# KiCad board yddraig030.kicad_pcb (continued)
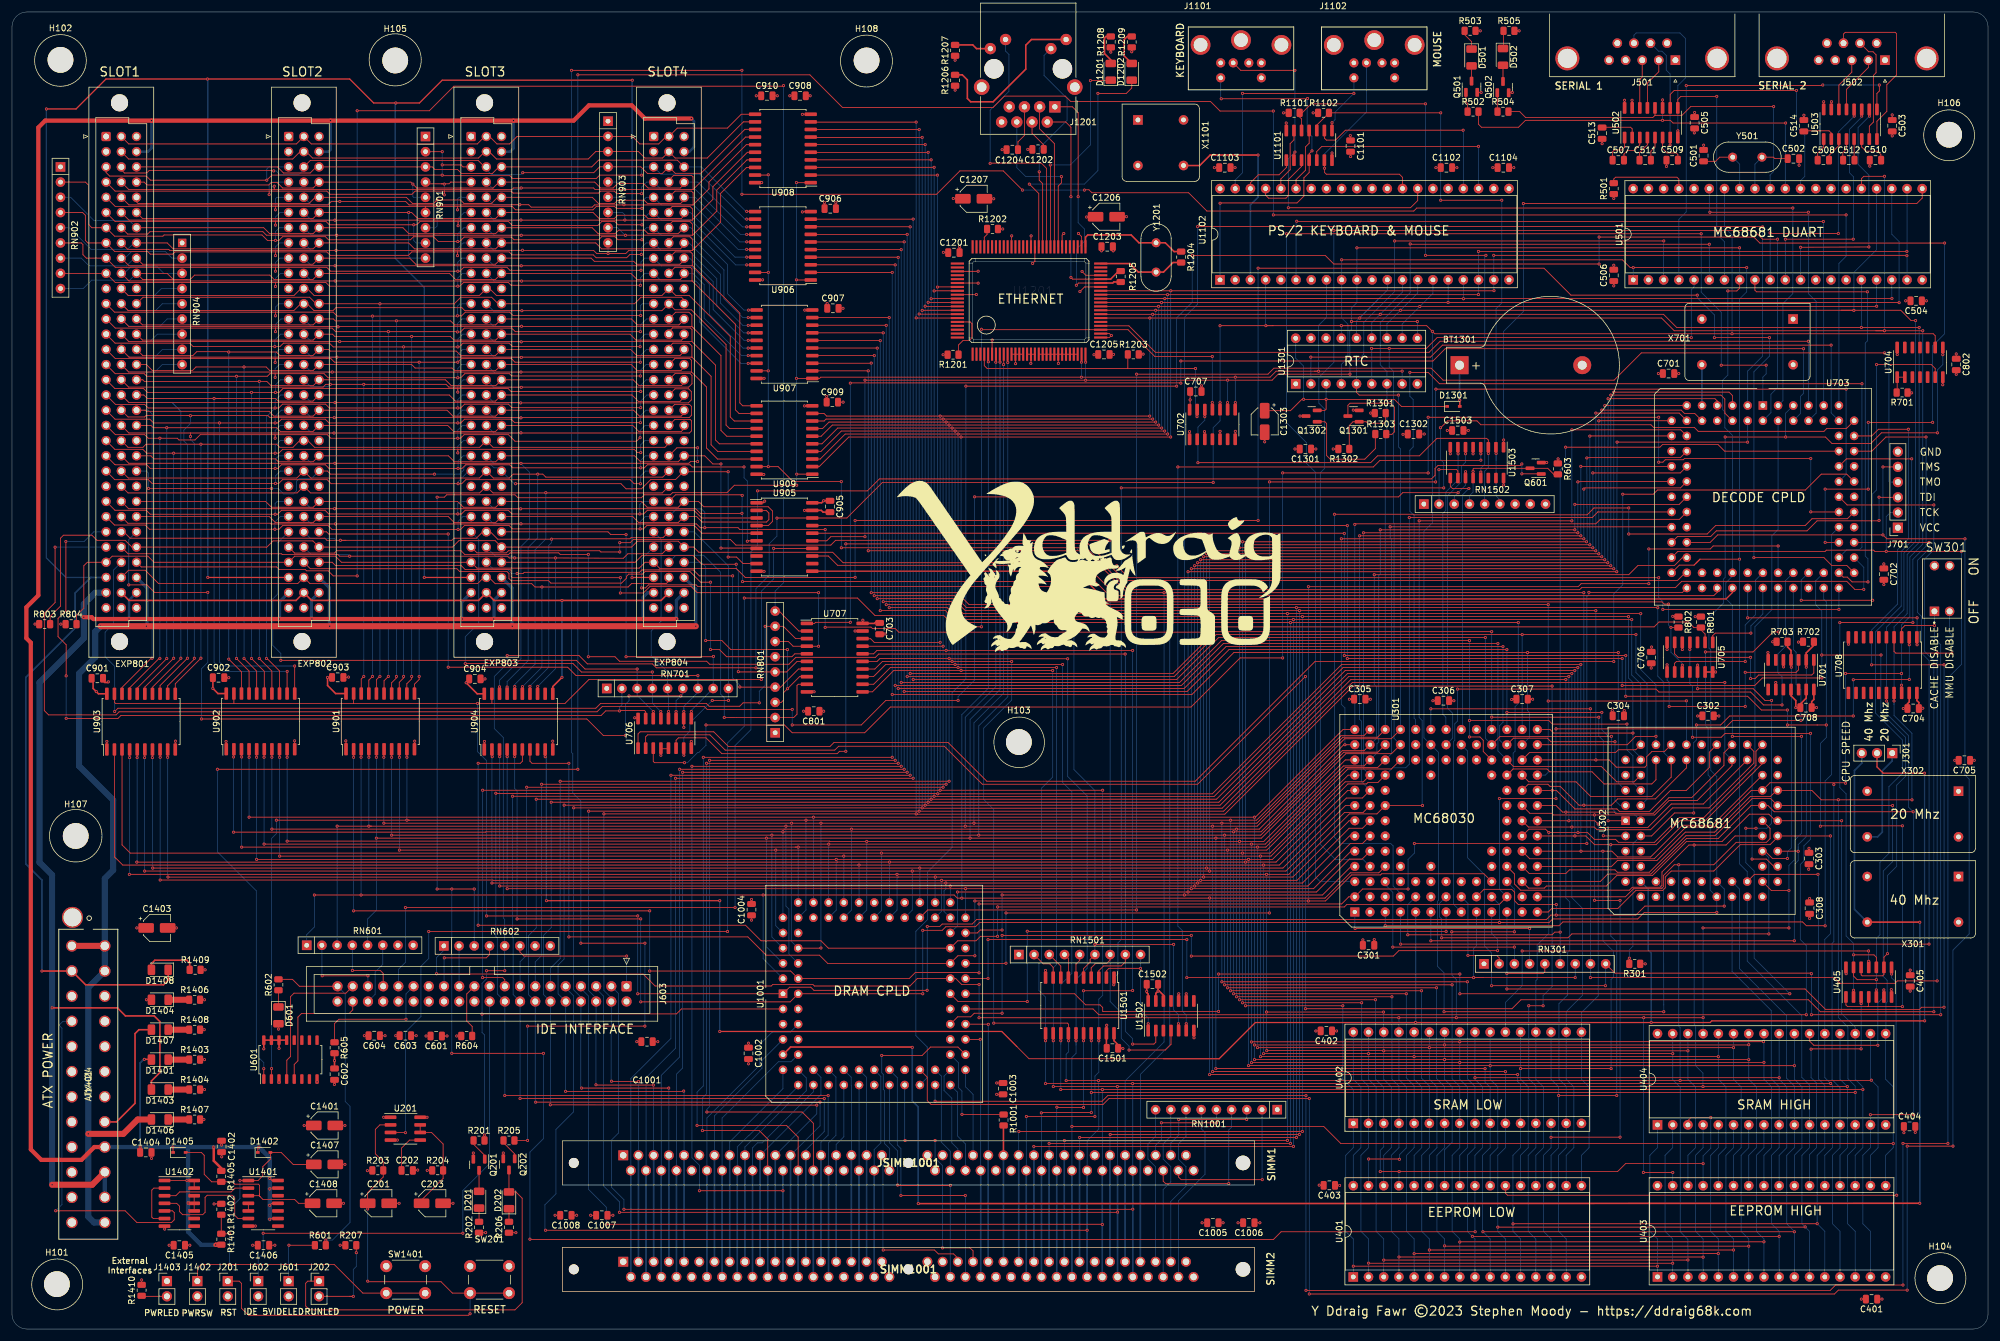
[diagram p0: board, top side]
## Footprints (pads in the part's own frame, mm; a bottom-side part is the same pattern mirrored in y, then rotated) (continued)
IDC-Header_2x20_P2.54mm_Vertical
  rrect 1.7x1.7 hole 1: 1(0,0)
  round 1.7 hole 1: 2(2.54,0) 3(0,-2.54) 4(2.54,-2.54) 5(0,-5.08) 6(2.54,-5.08) 7(0,-7.62) 8(2.54,-7.62) 9(0,-10.16) 10(2.54,-10.16) 11(0,-12.7) 12(2.54,-12.7) 13(0,-15.24) 14(2.54,-15.24) 15(0,-17.78) 16(2.54,-17.78) 17(0,-20.32) 18(2.54,-20.32) 19(0,-22.86) 20(2.54,-22.86) 21(0,-25.4) 22(2.54,-25.4) 23(0,-27.94) 24(2.54,-27.94) 25(0,-30.48) 26(2.54,-30.48) 27(0,-33.02) 28(2.54,-33.02) 29(0,-35.56) 30(2.54,-35.56) 31(0,-38.1) 32(2.54,-38.1) 33(0,-40.64) 34(2.54,-40.64) 35(0,-43.18) 36(2.54,-43.18) 37(0,-45.72) 38(2.54,-45.72) 39(0,-48.26) 40(2.54,-48.26)
LED_1206_3216Metric
  rrect 1.25x1.75 smd: 1(-1.4,0) 2(1.4,0)
MC68030RC
  rect 1.524x1.524 hole 0.7: A1(15.24,-15.24)
  round 1.524 hole 0.7: A2(12.7,-15.24) A3(10.16,-15.24) A4(7.62,-15.24) A5(5.08,-15.24) A6(2.54,-15.24) A7(0,-15.24) A8(-2.54,-15.24) A9(-5.08,-15.24) A10(-7.62,-15.24) A11(-10.16,-15.24) A12(-12.7,-15.24) A13(-15.24,-15.24) B1(15.24,-12.7) B2(12.7,-12.7) B3(10.16,-12.7) B4(7.62,-12.7) B5(5.08,-12.7) B6(2.54,-12.7) B7(0,-12.7) B8(-2.54,-12.7) B9(-5.08,-12.7) B10(-7.62,-12.7) B11(-10.16,-12.7) B12(-12.7,-12.7) B13(-15.24,-12.7) C1(15.24,-10.16) C2(12.7,-10.16) C3(10.16,-10.16) C4(7.62,-10.16) C5(5.08,-10.16) C6(2.54,-10.16) C7(0,-10.16) C8(-2.54,-10.16) C9(-5.08,-10.16) C10(-7.62,-10.16) C11(-10.16,-10.16) C12(-12.7,-10.16) C13(-15.24,-10.16) D1(15.24,-7.62) D2(12.7,-7.62) D3(10.16,-7.62) D12(-12.7,-7.62) D13(-15.24,-7.62) E1(15.24,-5.08) E2(12.7,-5.08) E3(10.16,-5.08) E11(-10.16,-5.08) E12(-12.7,-5.08) E13(-15.24,-5.08) F1(15.24,-2.54) F2(12.7,-2.54) F3(10.16,-2.54) F10(-7.62,-2.54) F11(-10.16,-2.54) F12(-12.7,-2.54) F13(-15.24,-2.54) G1(15.24,0) G2(12.7,0) G3(10.16,0) G11(-10.16,0) G12(-12.7,0) G13(-15.24,0) H1(15.24,2.54) H2(12.7,2.54) H3(10.16,2.54) H11(-10.16,2.54) H12(-12.7,2.54) H13(-15.24,2.54) J1(15.24,5.08) J2(12.7,5.08) J3(10.16,5.08) J11(-10.16,5.08) J12(-12.7,5.08) J13(-15.24,5.08) K1(15.24,7.62) K2(12.7,7.62) K3(10.16,7.62) K5(5.08,7.62) K10(-7.62,7.62) K12(-12.7,7.62) K13(-15.24,7.62) L1(15.24,10.16) L2(12.7,10.16) L3(10.16,10.16) L4(7.62,10.16) L5(5.08,10.16) L6(2.54,10.16) L7(0,10.16) L8(-2.54,10.16) L9(-5.08,10.16) L10(-7.62,10.16) L11(-10.16,10.16) L12(-12.7,10.16) L13(-15.24,10.16) M1(15.24,12.7) M2(12.7,12.7) M3(10.16,12.7) M4(7.62,12.7) M5(5.08,12.7) M6(2.54,12.7) M7(0,12.7) M8(-2.54,12.7) M9(-5.08,12.7) M10(-7.62,12.7) M11(-10.16,12.7) M12(-12.7,12.7) M13(-15.24,12.7) N1(15.24,15.24) N2(12.7,15.24) N3(10.16,15.24) N4(7.62,15.24) N5(5.08,15.24) N6(2.54,15.24) N7(0,15.24) N8(-2.54,15.24) N9(-5.08,15.24) N10(-7.62,15.24) N11(-10.16,15.24) N12(-12.7,15.24) N13(-15.24,15.24)
  round 1.524 hole 0.762: D4(7.62,-7.62) D5(5.08,-7.62) D10(-7.62,-7.62) D11(-10.16,-7.62) F4(7.62,-2.54) K4(7.62,7.62) K11(-10.16,7.62)
MINI-DIN-6-FULL-SHIELD
  round 1.524 hole 0.762: 1(-1.3,-8.5) 2(1.3,-8.5) 3(-3.4,-8.5) 4(3.4,-8.5) 5(-3.4,-11) 6(3.4,-11)
  round 3.3 hole 2.3: 7(-6.75,-5.5) 7(0,-4.7) 7(6.75,-5.5)
MountingHole_4.3mm_M4
  round 4.3 hole 4.3 unplated: (0,0)
Oscillator_DIP-8
  rect 1.6x1.6 hole 0.8: 1(0,0)
  round 1.6 hole 0.8: 4(7.62,0) 5(7.62,7.62) 8(0,7.62)
Oscillator_DIP-14
  rect 1.6x1.6 hole 0.8: 1(0,0)
  round 1.6 hole 0.8: 7(15.24,0) 8(15.24,7.62) 14(0,7.62)
PinHeader_1x02_P2.54mm_Vertical
  rect 1.7x1.7 hole 1: 1(0,0)
  oval 1.7x1.7 hole 1: 2(0,-2.54)
PinHeader_1x03_P2.54mm_Vertical
  rect 1.7x1.7 hole 1: 1(0,0)
  oval 1.7x1.7 hole 1: 2(0,-2.54) 3(0,-5.08)
PinSocket_1x06_P2.54mm_Vertical
  rect 1.7x1.7 hole 1: 1(0,0)
  oval 1.7x1.7 hole 1: 2(0,-2.54) 3(0,-5.08) 4(0,-7.62) 5(0,-10.16) 6(0,-12.7)
PLCC-68_THT-Socket
  rect 1.422x1.422 hole 0.8: 1(0,0)
  round 1.422 hole 0.8: 2(0,-2.54) 3(-2.54,0) 4(-2.54,-2.54) 5(-5.08,0) 6(-5.08,-2.54) 7(-7.62,0) 8(-7.62,-2.54) 9(-10.16,0) 10(-12.7,-2.54) 11(-10.16,-2.54) 12(-12.7,-5.08) 13(-10.16,-5.08) 14(-12.7,-7.62) 15(-10.16,-7.62) 16(-12.7,-10.16) 17(-10.16,-10.16) 18(-12.7,-12.7) 19(-10.16,-12.7) 20(-12.7,-15.24) 21(-10.16,-15.24) 22(-12.7,-17.78) 23(-10.16,-17.78) 24(-12.7,-20.32) 25(-10.16,-20.32) 26(-12.7,-22.86) 27(-10.16,-25.4) 28(-10.16,-22.86) 29(-7.62,-25.4) 30(-7.62,-22.86) 31(-5.08,-25.4) 32(-5.08,-22.86) 33(-2.54,-25.4) 34(-2.54,-22.86) 35(0,-25.4) 36(0,-22.86) 37(2.54,-25.4) 38(2.54,-22.86) 39(5.08,-25.4) 40(5.08,-22.86) 41(7.62,-25.4) 42(7.62,-22.86) 43(10.16,-25.4) 44(12.7,-22.86) 45(10.16,-22.86) 46(12.7,-20.32) 47(10.16,-20.32) 48(12.7,-17.78) 49(10.16,-17.78) 50(12.7,-15.24) 51(10.16,-15.24) 52(12.7,-12.7) 53(10.16,-12.7) 54(12.7,-10.16) 55(10.16,-10.16) 56(12.7,-7.62) 57(10.16,-7.62) 58(12.7,-5.08) 59(10.16,-5.08) 60(12.7,-2.54) 61(10.16,0) 62(10.16,-2.54) 63(7.62,0) 64(7.62,-2.54) 65(5.08,0) 66(5.08,-2.54) 67(2.54,0) 68(2.54,-2.54)
PLCC-84_THT-Socket
  rect 1.422x1.422 hole 0.8: 1(0,0)
  round 1.422 hole 0.8: 2(0,-2.54) 3(-2.54,0) 4(-2.54,-2.54) 5(-5.08,0) 6(-5.08,-2.54) 7(-7.62,0) 8(-7.62,-2.54) 9(-10.16,0) 10(-10.16,-2.54) 11(-12.7,0) 12(-15.24,-2.54) 13(-12.7,-2.54) 14(-15.24,-5.08) 15(-12.7,-5.08) 16(-15.24,-7.62) 17(-12.7,-7.62) 18(-15.24,-10.16) 19(-12.7,-10.16) 20(-15.24,-12.7) 21(-12.7,-12.7) 22(-15.24,-15.24) 23(-12.7,-15.24) 24(-15.24,-17.78) 25(-12.7,-17.78) 26(-15.24,-20.32) 27(-12.7,-20.32) 28(-15.24,-22.86) 29(-12.7,-22.86) 30(-15.24,-25.4) 31(-12.7,-25.4) 32(-15.24,-27.94) 33(-12.7,-30.48) 34(-12.7,-27.94) 35(-10.16,-30.48) 36(-10.16,-27.94) 37(-7.62,-30.48) 38(-7.62,-27.94) 39(-5.08,-30.48) 40(-5.08,-27.94) 41(-2.54,-30.48) 42(-2.54,-27.94) 43(0,-30.48) 44(0,-27.94) 45(2.54,-30.48) 46(2.54,-27.94) 47(5.08,-30.48) 48(5.08,-27.94) 49(7.62,-30.48) 50(7.62,-27.94) 51(10.16,-30.48) 52(10.16,-27.94) 53(12.7,-30.48) 54(15.24,-27.94) 55(12.7,-27.94) 56(15.24,-25.4) 57(12.7,-25.4) 58(15.24,-22.86) 59(12.7,-22.86) 60(15.24,-20.32) 61(12.7,-20.32) 62(15.24,-17.78) 63(12.7,-17.78) 64(15.24,-15.24) 65(12.7,-15.24) 66(15.24,-12.7) 67(12.7,-12.7) 68(15.24,-10.16) 69(12.7,-10.16) 70(15.24,-7.62) 71(12.7,-7.62) 72(15.24,-5.08) 73(12.7,-5.08) 74(15.24,-2.54) 75(12.7,0) 76(12.7,-2.54) 77(10.16,0) 78(10.16,-2.54) 79(7.62,0) 80(7.62,-2.54) 81(5.08,0) 82(5.08,-2.54) 83(2.54,0) 84(2.54,-2.54)
R_0805_2012Metric
  rrect 1.025x1.4 smd: 1(-0.912,0) 2(0.912,0)
R_Array_SIP8
  rect 1.6x1.6 hole 0.8: 1(0,0)
  oval 1.6x1.6 hole 0.8: 2(2.54,0) 3(5.08,0) 4(7.62,0) 5(10.16,0) 6(12.7,0) 7(15.24,0) 8(17.78,0)
R_Array_SIP9
  rect 1.6x1.6 hole 0.8: 1(0,0)
  oval 1.6x1.6 hole 0.8: 2(2.54,0) 3(5.08,0) 4(7.62,0) 5(10.16,0) 6(12.7,0) 7(15.24,0) 8(17.78,0) 9(20.32,0)
R_Array_SIP9#2
  rect 1.4x1.4 hole 0.8: 1(0,0)
  oval 1.6x1.6 hole 0.8: 2(2.54,0) 3(5.08,0) 4(7.62,0) 5(10.16,0) 6(12.7,0) 7(15.24,0) 8(17.78,0) 9(20.32,0)
RJ45_Amphenol_RJMG1BD3B8K1ANR
  round 3.25 hole 3.25 unplated: (-1.27,-6.34) (10.16,-6.34)
  round 2.6 hole 1.6: 13(-3.33,-3.29) 13(12.22,-3.29)
  round 1.89 hole 0.89: L1(10.77,-9.72) L2(8.23,-11.24) L3(0.66,-9.72) L4(-1.88,-11.24)
  rect 1.9x1.9 hole 0.9: R1(0,0)
  round 1.9 hole 0.9: R2(1.27,2.54) R3(2.54,0) R4(3.81,2.54) R5(5.08,0) R6(6.35,2.54) R7(7.62,0) R8(8.89,2.54)
RTL8019AS
  rect 0.35x2.2 smd: 1(-9.425,-8.965) 2(-8.775,-8.965) 3(-8.125,-8.965) 4(-7.475,-8.965) 5(-6.825,-8.965) 6(-6.175,-8.965) 7(-5.525,-8.965) 8(-4.875,-8.965) 9(-4.225,-8.965) 10(-3.575,-8.965) 11(-2.925,-8.965) 12(-2.275,-8.965) 13(-1.625,-8.965) 14(-0.975,-8.965) 15(-0.325,-8.965) 16(0.325,-8.965) 17(0.975,-8.965) 18(1.625,-8.965) 19(2.275,-8.965) 20(2.925,-8.965) 21(3.575,-8.965) 22(4.225,-8.965) 23(4.875,-8.965) 24(5.525,-8.965) 25(6.175,-8.965) 26(6.825,-8.965) 27(7.475,-8.965) 28(8.125,-8.965) 29(8.775,-8.965) 30(9.425,-8.965) 51(9.425,8.965) 52(8.775,8.965) 53(8.125,8.965) 54(7.475,8.965) 55(6.825,8.965) 56(6.175,8.965) 57(5.525,8.965) 58(4.875,8.965) 59(4.225,8.965) 60(3.575,8.965) 61(2.925,8.965) 62(2.275,8.965) 63(1.625,8.965) 64(0.975,8.965) 65(0.325,8.965) 66(-0.325,8.965) 67(-0.975,8.965) 68(-1.625,8.965) 69(-2.275,8.965) 70(-2.925,8.965) 71(-3.575,8.965) 72(-4.225,8.965) 73(-4.875,8.965) 74(-5.525,8.965) 75(-6.175,8.965) 76(-6.825,8.965) 77(-7.475,8.965) 78(-8.125,8.965) 79(-8.775,8.965) 80(-9.425,8.965)
  rect 2.2x0.35 smd: 31(11.965,-6.175) 32(11.965,-5.525) 33(11.965,-4.875) 34(11.965,-4.225) 35(11.965,-3.575) 36(11.965,-2.925) 37(11.965,-2.275) 38(11.965,-1.625) 39(11.965,-0.975) 40(11.965,-0.325) 41(11.965,0.325) 42(11.965,0.975) 43(11.965,1.625) 44(11.965,2.275) 45(11.965,2.925) 46(11.965,3.575) 47(11.965,4.225) 48(11.965,4.875) 49(11.965,5.525) 50(11.965,6.175) 81(-11.965,6.175) 82(-11.965,5.525) 83(-11.965,4.875) 84(-11.965,4.225) 85(-11.965,3.575) 86(-11.965,2.925) 87(-11.965,2.275) 88(-11.965,1.625) 89(-11.965,0.975) 90(-11.965,0.325) 91(-11.965,-0.325) 92(-11.965,-0.975) 93(-11.965,-1.625) 94(-11.965,-2.275) 95(-11.965,-2.925) 96(-11.965,-3.575) 97(-11.965,-4.225) 98(-11.965,-4.875) 99(-11.965,-5.525) 100(-11.965,-6.175)
SO-14_3.9x8.65mm_P1.27mm
  rrect 1.95x0.6 smd: 1(-2.475,3.81) 2(-2.475,2.54) 3(-2.475,1.27) 4(-2.475,0) 5(-2.475,-1.27) 6(-2.475,-2.54) 7(-2.475,-3.81) 8(2.475,-3.81) 9(2.475,-2.54) 10(2.475,-1.27) 11(2.475,0) 12(2.475,1.27) 13(2.475,2.54) 14(2.475,3.81)
SO-16_3.9x9.9mm_P1.27mm
  rrect 1.75x0.6 smd: 1(-2.575,4.445) 2(-2.575,3.175) 3(-2.575,1.905) 4(-2.575,0.635) 5(-2.575,-0.635) 6(-2.575,-1.905) 7(-2.575,-3.175) 8(-2.575,-4.445) 9(2.575,-4.445) 10(2.575,-3.175) 11(2.575,-1.905) 12(2.575,-0.635) 13(2.575,0.635) 14(2.575,1.905) 15(2.575,3.175) 16(2.575,4.445)
SOIC-8_3.9x4.9mm_P1.27mm
  rrect 1.95x0.6 smd: 1(-2.475,1.905) 2(-2.475,0.635) 3(-2.475,-0.635) 4(-2.475,-1.905) 5(2.475,-1.905) 6(2.475,-0.635) 7(2.475,0.635) 8(2.475,1.905)
SOIC-14_3.9x8.7mm_P1.27mm
  rrect 1.95x0.6 smd: 1(-2.475,3.81) 2(-2.475,2.54) 3(-2.475,1.27) 4(-2.475,0) 5(-2.475,-1.27) 6(-2.475,-2.54) 7(-2.475,-3.81) 8(2.475,-3.81) 9(2.475,-2.54) 10(2.475,-1.27) 11(2.475,0) 12(2.475,1.27) 13(2.475,2.54) 14(2.475,3.81)
SOIC-16_3.9x9.9mm_P1.27mm
  rrect 1.95x0.6 smd: 1(-2.475,4.445) 2(-2.475,3.175) 3(-2.475,1.905) 4(-2.475,0.635) 5(-2.475,-0.635) 6(-2.475,-1.905) 7(-2.475,-3.175) 8(-2.475,-4.445) 9(2.475,-4.445) 10(2.475,-3.175) 11(2.475,-1.905) 12(2.475,-0.635) 13(2.475,0.635) 14(2.475,1.905) 15(2.475,3.175) 16(2.475,4.445)
SOIC-16_4.55x10.3mm_P1.27mm
  rrect 1.6x0.55 smd: 1(-3.25,4.445) 2(-3.25,3.175) 3(-3.25,1.905) 4(-3.25,0.635) 5(-3.25,-0.635) 6(-3.25,-1.905) 7(-3.25,-3.175) 8(-3.25,-4.445) 9(3.25,-4.445) 10(3.25,-3.175) 11(3.25,-1.905) 12(3.25,-0.635) 13(3.25,0.635) 14(3.25,1.905) 15(3.25,3.175) 16(3.25,4.445)
SOIC-20W_7.5x12.8mm_P1.27mm
  rrect 2.05x0.6 smd: 1(-4.65,5.715) 2(-4.65,4.445) 3(-4.65,3.175) 4(-4.65,1.905) 5(-4.65,0.635) 6(-4.65,-0.635) 7(-4.65,-1.905) 8(-4.65,-3.175) 9(-4.65,-4.445) 10(-4.65,-5.715) 11(4.65,-5.715) 12(4.65,-4.445) 13(4.65,-3.175) 14(4.65,-1.905) 15(4.65,-0.635) 16(4.65,0.635) 17(4.65,1.905) 18(4.65,3.175) 19(4.65,4.445) 20(4.65,5.715)
SOT-23
  rrect 1.475x0.6 smd: 1(-0.938,0.95) 2(-0.938,-0.95) 3(0.938,0)
SW_DS01-254-L-02BE
  rect 1.58x1.58 hole 1: 1A(-1.27,-3.81)
  round 1.58 hole 1: 1B(-1.27,3.81) 2A(1.27,-3.81) 2B(1.27,3.81)
SW_PUSH_6mm_H4.3mm
  round 2 hole 1.1: 1(0,0) 1(6.5,0) 2(0,-4.5) 2(6.5,-4.5)

## Nets
+3.3V: D1406.2 EXP801.C30 EXP802.C30 EXP803.C30 EXP804.C30 J1401.1 J1401.2 J1401.12 J1401.13
+5V: C301.1 C302.1 C303.1 C304.1 C305.1 C306.1 C307.1 C308.1 C401.1 C402.1 C403.1 C404.1 C405.1 C503.1 C504.1 C505.1 C506.1 C513.1 C514.2 C601.1 C602.1 C603.1 C604.1 C701.1 C702.1 C703.1 C704.1 C705.1 C706.1 C707.1 C708.1 C801.1 C802.1 C901.1 C902.1 C903.1 C904.1 C905.1 C906.1 C907.1 C908.1 C909.1 C910.1 C1001.1 C1002.1 C1003.1 C1004.1 C1005.1 C1006.1 C1007.1 C1008.1 C1101.1 C1102.1 C1103.1 C1104.1 C1201.1 C1203.1 C1205.1 C1206.1 C1207.1 C1301.1 C1302.1 C1401.1 C1403.1 C1405.1 C1406.1 C1501.1 C1502.1 C1503.1 D601.2 D1404.2 EXP801.A1 EXP801.A24 EXP801.C1 EXP802.A1 EXP802.A24 EXP802.C1 EXP803.A1 EXP803.A24 EXP803.C1 EXP804.A1 EXP804.A24 EXP804.C1 J601.2 J602.2 J701.1 J1101.4 J1102.4 J1401.4 J1401.6 J1401.21 J1401.22 J1401.23 J1403.1 JSIMM1001.10 JSIMM1001.30 JSIMM1001.59 Q201.2 Q202.2 Q501.2 Q502.2 Q1302.3 R203.1 R204.1 R301.1 R501.1 R603.1 R605.2 R701.1 R702.1 R703.1 R801.1 R802.1 R803.1 R804.1 R1101.1 R1102.1 R1206.1 R1207.1 R1208.1 R1209.1 R1301.1 RN301.1 RN701.1 RN801.1 RN1001.1 RN1501.1 RN1502.1 SIMM1001.10 SIMM1001.30 SIMM1001.59 U201.4 U201.8 U301.C6 U301.D4 U301.D10 U301.F2 U301.F11 U301.H3 U301.H11 U301.K4 U301.K10 U301.L6 U302.10 U302.16 U302.17 U302.18 U302.26 U302.27 U302.43 U302.52 U302.53 U302.61 U401.32 U402.32 U403.32 U404.32 U405.14 U501.40 U502.16 U503.16 U601.13 U601.14 U601.15 U601.16 U701.14 U702.1 U702.3 U702.5 U702.14 U703.22 U703.38 U703.64 U703.73 U703.78 U704.14 U705.5 U705.13 U705.14 U706.16 U707.20 U708.20 U901.1 U901.20 U902.1 U902.20 U903.1 U903.20 U904.1 U904.20 U905.20 U906.20 U907.20 U908.20 U909.20 U1001.22 U1001.38 U1001.64 U1001.73 U1001.78 U1101.14 U1102.5 U1102.25 U1102.26 U1102.40 U1201.6 U1201.15 U1201.16 U1201.17 U1201.31 U1201.32 U1201.47 U1201.57 U1201.65 U1201.70 U1201.89 U1501.20 U1502.14 U1503.16 X301.14 X302.14 X701.14 X1101.1 X1101.8
+5V_SB: C1402.1 C1404.1 D1401.2 D1402.1 D1405.1 EXP801.C2 EXP802.C2 EXP803.C2 EXP804.C2 J1401.9 R1401.1 R1405.1 U1401.9 U1401.11 U1401.13 U1401.14 U1402.1 U1402.10 U1402.11 U1402.12 U1402.13 U1402.14
+12V: D1403.2 EXP801.A31 EXP801.C31 EXP802.A31 EXP802.C31 EXP803.A31 EXP803.C31 EXP804.A31 EXP804.C31 J1401.10 J1401.11
-12V: D1408.1 EXP801.A30 EXP802.A30 EXP803.A30 EXP804.A30 J1401.14
GND: BT1301.2 C201.2 C202.2 C203.2 C301.2 C302.2 C303.2 C304.2 C305.2 C306.2 C307.2 C308.2 C401.2 C402.2 C403.2 C404.2 C405.2 C501.2 C502.2 C503.2 C504.2 C505.2 C506.2 C509.2 C510.2 C601.2 C602.2 C603.2 C604.2 C701.2 C702.2 C703.2 C704.2 C705.2 C706.2 C707.2 C708.2 C801.2 C802.2 C901.2 C902.2 C903.2 C904.2 C905.2 C906.2 C907.2 C908.2 C909.2 C910.2 C1001.2 C1002.2 C1003.2 C1004.2 C1005.2 C1006.2 C1007.2 C1008.2 C1101.2 C1102.2 C1103.2 C1104.2 C1201.2 C1202.2 C1203.2 C1204.2 C1205.2 C1206.2 C1207.2 C1301.2 C1302.2 C1303.2 C1401.2 C1402.2 C1403.2 C1404.2 C1405.2 C1406.2 C1407.2 C1408.2 C1501.2 C1502.2 C1503.2 EXP801.A2 EXP801.A11 EXP801.A32 EXP801.B32 EXP801.C11 EXP801.C24 EXP801.C32 EXP802.A2 EXP802.A11 EXP802.A32 EXP802.B32 EXP802.C11 EXP802.C24 EXP802.C32 EXP803.A2 EXP803.A11 EXP803.A32 EXP803.B32 EXP803.C11 EXP803.C24 EXP803.C32 EXP804.A2 EXP804.A11 EXP804.A32 EXP804.B32 EXP804.C11 EXP804.C24 EXP804.C32 J201.2 J501.0 J501.5 J502.0 J502.5 J603.2 J603.19 J603.22 J603.24 J603.26 J603.28 J603.30 J603.40 J701.6 J1101.3 J1101.7 J1102.3 J1102.7 J1201.13 J1201.R8 J1401.3 J1401.5 J1401.7 J1401.15 J1401.17 J1401.18 J1401.19 J1401.24 J1402.2 JSIMM1001.1 JSIMM1001.39 JSIMM1001.72 Q601.2 Q1301.2 R202.1 R206.1 R207.1 R503.2 R505.2 R604.2 R1201.2 R1202.2 R1203.2 R1302.2 R1403.2 R1404.2 R1406.2 R1407.2 R1408.2 R1409.2 R1410.2 RN901.1 RN902.1 RN903.1 RN904.1 SIMM1001.1 SIMM1001.39 SIMM1001.72 SW201.1 SW301.1B SW301.2B SW1401.1 U201.1 U301.C5 U301.C7 U301.C9 U301.E3 U301.E11 U301.F3 U301.G3 U301.G11 U301.J3 U301.J11 U301.L5 U301.L7 U301.L8 U301.L9 U302.5 U302.6 U302.7 U302.8 U302.9 U302.12 U302.14 U302.19 U302.30 U302.41 U302.51 U302.63 U401.16 U402.16 U403.16 U404.16 U405.7 U501.20 U502.15 U503.15 U601.3 U601.8 U701.5 U701.7 U701.9 U701.11 U701.13 U702.7 U703.8 U703.16 U703.27 U703.42 U703.49 U703.60 U704.7 U705.7 U706.4 U706.5 U706.8 U707.10 U707.19 U708.10 U708.19 U901.10 U902.10 U903.10 U904.10 U905.1 U905.10 U905.19 U906.10 U907.10 U908.10 U909.10 U1001.8 U1001.16 U1001.27 U1001.42 U1001.49 U1001.60 U1101.7 U1102.2 U1102.7 U1102.20 U1201.11 U1201.12 U1201.13 U1201.14 U1201.18 U1201.19 U1201.20 U1201.21 U1201.22 U1201.23 U1201.24 U1201.25 U1201.26 U1201.27 U1201.28 U1201.44 U1201.52 U1201.64 U1201.83 U1201.86 U1301.9 U1401.7 U1402.7 U1501.10 U1501.19 U1502.7 U1502.9 U1502.10 U1502.12 U1502.13 U1503.5 U1503.8 X301.7 X302.7 X701.7 X1101.4
/CPU and FPU/CLK40MHZ: J301.3 U1001.9 X301.8
/CPU and FPU/CPU_CLK: J301.2 U301.E1 U302.11 U904.9
/CPU and FPU/FC0: U301.D2 U703.62
/CPU and FPU/FC1: U301.C1 U703.61
/CPU and FPU/FC2: U301.D1 U703.58
/CPU and FPU/R/~{W}: RN602.1 U301.L3 U302.28 U401.31 U402.29 U403.31 U404.29 U501.8 U702.9 U703.40 U905.15 U1001.46 U1102.10 U1201.30 U1301.10
/CPU and FPU/SIZ0: U301.L2 U703.47 U904.6 U1001.50
/CPU and FPU/SIZ1: U301.K3 U703.46 U904.7 U1001.48
/CPU and FPU/~{AS}: U301.J2 U302.21 U703.81 U704.8 U901.19 U902.19 U903.19 U904.19 U905.14 U1001.1
/CPU and FPU/~{AVEC}: RN301.6 U301.E2 U703.71
/CPU and FPU/~{BERR}: U301.H1 U703.48
/CPU and FPU/~{CBACK}: RN301.7 U301.J1 U1001.45
/CPU and FPU/~{CBREQ}: U301.K1 U1001.40
/CPU and FPU/~{CDIS}: RN301.9 SW301.1A U301.H12 U708.3
/CPU and FPU/~{CIIN}: RN301.5 U301.L1 U703.72
/CPU and FPU/~{CS_FPU}: U302.29 U703.84
/CPU and FPU/~{DSACK0}: R702.2 U301.F1 U302.31 U701.2
/CPU and FPU/~{DSACK1}: R703.2 U301.G2 U302.32 U701.4
/CPU and FPU/~{DS}: U301.K2 U302.20 U703.45 U904.5 U1001.2
/CPU and FPU/~{FPUSENSE}: R301.2 U302.4 U708.2
/CPU and FPU/~{IPEND}: U301.E13 U703.57
/CPU and FPU/~{IPL0}: U301.H13 U1503.9
/CPU and FPU/~{IPL1}: U301.G13 U1503.7
/CPU and FPU/~{IPL2}: U301.G12 U1503.6
/CPU and FPU/~{MMUDIS}: RN301.8 SW301.2A U301.F13 U708.4
/CPU and FPU/~{RESET}: R201.2 RN602.5 U301.F12 U302.13 U501.34 U702.10 U704.9 U905.18 U1001.3 U1102.4 U1301.15
/CPU and FPU/~{STERM}: U301.G1 U1001.44
/Decode and Logic/BOOTROM: U703.50 U704.6
/Decode and Logic/CLK10: U703.39 U905.11
/Decode and Logic/EXPSEL0: U703.66 U706.1
/Decode and Logic/EXPSEL1: U703.65 U706.2
/Decode and Logic/EXPSEL2: U703.63 U706.3
/Decode and Logic/EXPSELEN: U703.34 U706.6
/Decode and Logic/INT_ETH: R1203.1 U702.13 U1201.4
/Decode and Logic/RESET: U201.3 U702.11 U1201.33
/Decode and Logic/RUN: R205.2 U703.83
/Decode and Logic/TCK: J701.2 U703.30 U1001.30
/Decode and Logic/TDI: J701.3 U703.28
/Decode and Logic/TDO: J701.4 U1001.59
/Decode and Logic/TMS: J701.5 U703.29 U1001.29
/Decode and Logic/~{CPLD_DSACK0}: U703.43 U705.1
/Decode and Logic/~{CPLD_DSACK1}: U703.44 U705.9
/Decode and Logic/~{CS_CARDPRD}: U703.82 U707.1
/Decode and Logic/~{CS_DUART}: U501.35 U703.80
/Decode and Logic/~{CS_ETH}: U703.79 U1201.34
/Decode and Logic/~{CS_IDE}: U601.1 U703.75
/Decode and Logic/~{CS_INTERRUPT}: U703.74 U1501.1
/Decode and Logic/~{CS_KBD}: U703.77 U1102.6
/Decode and Logic/~{CS_ROM}: U405.2 U405.10 U703.70
/Decode and Logic/~{CS_RTC}: U703.76 U1301.2
/Decode and Logic/~{CS_SRAM}: U405.5 U405.13 U703.69
/Decode and Logic/~{CS_STATUS}: U703.41 U708.1
/Decode and Logic/~{DSACK0_EXT}: EXP801.B26 EXP802.B26 EXP803.B26 EXP804.B26 R801.2 U705.2
/Decode and Logic/~{DSACK1_EXT}: EXP801.B25 EXP802.B25 EXP803.B25 EXP804.B25 R802.2 U705.10
/Decode and Logic/~{DTACK_DUART}: U501.9 U703.55
/Decode and Logic/~{EXT_BERR}: EXP801.A29 EXP802.A29 EXP803.A29 EXP804.A29 R804.2 U703.54
/Decode and Logic/~{EXT_DBEN}: U703.56 U906.19 U907.19 U908.19 U909.19
/Decode and Logic/~{EXT_DTACK}: EXP801.C28 EXP802.C28 EXP803.C28 EXP804.C28 R803.2 U703.53
/Decode and Logic/~{EXT_PRD01}: EXP801.C29 RN801.9 U707.2
/Decode and Logic/~{EXT_PRD02}: EXP802.C29 RN801.7 U707.4
/Decode and Logic/~{EXT_PRD03}: EXP803.C29 RN801.5 U707.6
/Decode and Logic/~{EXT_PRD04}: EXP804.C29 RN801.3 U707.8
/Decode and Logic/~{EXT_PRD11}: EXP801.B29 RN801.8 U707.3
/Decode and Logic/~{EXT_PRD12}: EXP802.B29 RN801.6 U707.5
/Decode and Logic/~{EXT_PRD13}: EXP803.B29 RN801.4 U707.7
/Decode and Logic/~{EXT_PRD14}: EXP804.B29 RN801.2 U707.9
/Decode and Logic/~{INT_ETH}: RN1502.5 U702.12 U1503.3
/Decode and Logic/~{LDS}: U405.9 U405.12 U703.52 U905.17
/Decode and Logic/~{R}/W: RN602.3 U401.24 U402.24 U403.24 U404.24 U702.8 U906.1 U907.1 U908.1 U909.1 U1102.8 U1201.29 U1301.8
/Decode and Logic/~{UDS}: U405.1 U405.4 U703.51 U905.16
/Decode and Logic/~{VMA}: U703.37 U905.13
/DRAM/JTAG_TDI: U703.59 U1001.28
/DRAM/MUX_A0: JSIMM1001.12 SIMM1001.12 U1001.6
/DRAM/MUX_A1: JSIMM1001.13 SIMM1001.13 U1001.7
/DRAM/MUX_A2: JSIMM1001.14 SIMM1001.14 U1001.10
/DRAM/MUX_A3: JSIMM1001.15 SIMM1001.15 U1001.11
/DRAM/MUX_A4: JSIMM1001.16 SIMM1001.16 U1001.12
/DRAM/MUX_A5: JSIMM1001.17 SIMM1001.17 U1001.13
/DRAM/MUX_A6: JSIMM1001.18 SIMM1001.18 U1001.14
/DRAM/MUX_A7: JSIMM1001.28 SIMM1001.28 U1001.17
/DRAM/MUX_A8: JSIMM1001.31 SIMM1001.31 U1001.19
/DRAM/MUX_A9: JSIMM1001.32 SIMM1001.32 U1001.20
/DRAM/MUX_A10: JSIMM1001.19 SIMM1001.19 U1001.15
/DRAM/MUX_A11: JSIMM1001.29 SIMM1001.29 U1001.18
/DRAM/PRDA0: RN1001.9 SIMM1001.67
/DRAM/PRDA1: RN1001.8 SIMM1001.68
/DRAM/PRDA2: RN1001.7 SIMM1001.69
/DRAM/PRDA3: RN1001.6 SIMM1001.70
/DRAM/PRDB0: JSIMM1001.67 RN1001.5
/DRAM/PRDB1: JSIMM1001.68 RN1001.4
/DRAM/PRDB2: JSIMM1001.69 RN1001.3
/DRAM/PRDB3: JSIMM1001.70 RN1001.2
/DRAM/~{CAS_A0}: SIMM1001.40 U1001.24
/DRAM/~{CAS_A1}: SIMM1001.43 U1001.26
/DRAM/~{CAS_A2}: SIMM1001.41 U1001.35
/DRAM/~{CAS_A3}: SIMM1001.42 U1001.25
/DRAM/~{CAS_B0}: JSIMM1001.40 U1001.31
/DRAM/~{CAS_B1}: JSIMM1001.43 U1001.33
/DRAM/~{CAS_B2}: JSIMM1001.41 U1001.34
/DRAM/~{CAS_B3}: JSIMM1001.42 U1001.32
/DRAM/~{CS_DRAM}: U703.67 U1001.47
/DRAM/~{DSACK0}: U705.4 U1001.41
/DRAM/~{DSACK1}: U705.12 U1001.43
/DRAM/~{RAM_WE}: JSIMM1001.47 R1001.1 SIMM1001.47
/DRAM/~{RAS0}: JSIMM1001.44 SIMM1001.44 U1001.37
/DRAM/~{RAS1}: JSIMM1001.45 SIMM1001.45 U1001.39
/DRAM/~{RAS2}: JSIMM1001.34 SIMM1001.34 U1001.23
/DRAM/~{RAS3}: JSIMM1001.33 SIMM1001.33 U1001.21
/Expansion Slots/BA0: EXP801.B17 EXP802.B17 EXP803.B17 EXP804.B17 U901.18
/Expansion Slots/BA1: EXP801.A12 EXP802.A12 EXP803.A12 EXP804.A12 U901.17
/Expansion Slots/BA2: EXP801.C12 EXP802.C12 EXP803.C12 EXP804.C12 U901.16
/Expansion Slots/BA3: EXP801.A13 EXP802.A13 EXP803.A13 EXP804.A13 U901.15
/Expansion Slots/BA4: EXP801.C13 EXP802.C13 EXP803.C13 EXP804.C13 U901.14
/Expansion Slots/BA5: EXP801.A14 EXP802.A14 EXP803.A14 EXP804.A14 U901.13
/Expansion Slots/BA6: EXP801.C14 EXP802.C14 EXP803.C14 EXP804.C14 U901.12
/Expansion Slots/BA7: EXP801.A15 EXP802.A15 EXP803.A15 EXP804.A15 U901.11
/Expansion Slots/BA8: EXP801.C15 EXP802.C15 EXP803.C15 EXP804.C15 U902.18
/Expansion Slots/BA9: EXP801.A16 EXP802.A16 EXP803.A16 EXP804.A16 U902.17
/Expansion Slots/BA10: EXP801.C16 EXP802.C16 EXP803.C16 EXP804.C16 U902.16
/Expansion Slots/BA11: EXP801.A17 EXP802.A17 EXP803.A17 EXP804.A17 U902.15
/Expansion Slots/BA12: EXP801.C17 EXP802.C17 EXP803.C17 EXP804.C17 U902.14
/Expansion Slots/BA13: EXP801.A18 EXP802.A18 EXP803.A18 EXP804.A18 U902.13
/Expansion Slots/BA14: EXP801.C18 EXP802.C18 EXP803.C18 EXP804.C18 U902.12
/Expansion Slots/BA15: EXP801.A19 EXP802.A19 EXP803.A19 EXP804.A19 U902.11
/Expansion Slots/BA16: EXP801.C19 EXP802.C19 EXP803.C19 EXP804.C19 U903.18
/Expansion Slots/BA17: EXP801.A20 EXP802.A20 EXP803.A20 EXP804.A20 U903.17
/Expansion Slots/BA18: EXP801.C20 EXP802.C20 EXP803.C20 EXP804.C20 U903.16
/Expansion Slots/BA19: EXP801.A21 EXP802.A21 EXP803.A21 EXP804.A21 U903.15
/Expansion Slots/BA20: EXP801.B18 EXP802.B18 EXP803.B18 EXP804.B18 U903.14
/Expansion Slots/BA21: EXP801.B19 EXP802.B19 EXP803.B19 EXP804.B19 U903.13
/Expansion Slots/BA22: EXP801.B20 EXP802.B20 EXP803.B20 EXP804.B20 U903.12
/Expansion Slots/BA23: EXP801.B21 EXP802.B21 EXP803.B21 EXP804.B21 U903.11
/Expansion Slots/BA24: EXP801.B22 EXP802.B22 EXP803.B22 EXP804.B22 U904.18
/Expansion Slots/BA25: EXP801.B23 EXP802.B23 EXP803.B23 EXP804.B23 U904.17
/Expansion Slots/BA26: EXP801.B24 EXP802.B24 EXP803.B24 EXP804.B24 U904.16
/Expansion Slots/BCLK10: EXP801.C23 EXP802.C23 EXP803.C23 EXP804.C23 U905.9
/Expansion Slots/BCPUCLK: EXP801.B31 EXP802.B31 EXP803.B31 EXP804.B31 U904.11
/Expansion Slots/BD0: EXP801.A3 EXP802.A3 EXP803.A3 EXP804.A3 RN901.2 U906.12
/Expansion Slots/BD1: EXP801.C3 EXP802.C3 EXP803.C3 EXP804.C3 RN901.3 U906.11
/Expansion Slots/BD2: EXP801.A4 EXP802.A4 EXP803.A4 EXP804.A4 RN901.4 U906.14
/Expansion Slots/BD3: EXP801.C4 EXP802.C4 EXP803.C4 EXP804.C4 RN901.5 U906.13
/Expansion Slots/BD4: EXP801.A5 EXP802.A5 EXP803.A5 EXP804.A5 RN901.6 U906.16
/Expansion Slots/BD5: EXP801.C5 EXP802.C5 EXP803.C5 EXP804.C5 RN901.7 U906.15
/Expansion Slots/BD6: EXP801.A6 EXP802.A6 EXP803.A6 EXP804.A6 RN901.8 U906.18
/Expansion Slots/BD7: EXP801.C6 EXP802.C6 EXP803.C6 EXP804.C6 RN901.9 U906.17
/Expansion Slots/BD8: EXP801.A7 EXP802.A7 EXP803.A7 EXP804.A7 RN902.2 U907.12
/Expansion Slots/BD9: EXP801.C7 EXP802.C7 EXP803.C7 EXP804.C7 RN902.3 U907.11
/Expansion Slots/BD10: EXP801.A8 EXP802.A8 EXP803.A8 EXP804.A8 RN902.4 U907.14
/Expansion Slots/BD11: EXP801.C8 EXP802.C8 EXP803.C8 EXP804.C8 RN902.5 U907.13
/Expansion Slots/BD12: EXP801.A9 EXP802.A9 EXP803.A9 EXP804.A9 RN902.6 U907.16
/Expansion Slots/BD13: EXP801.C9 EXP802.C9 EXP803.C9 EXP804.C9 RN902.7 U907.15
/Expansion Slots/BD14: EXP801.A10 EXP802.A10 EXP803.A10 EXP804.A10 RN902.8 U907.18
/Expansion Slots/BD15: EXP801.C10 EXP802.C10 EXP803.C10 EXP804.C10 RN902.9 U907.17
/Expansion Slots/BD16: EXP801.B1 EXP802.B1 EXP803.B1 EXP804.B1 RN903.2 U908.11
/Expansion Slots/BD17: EXP801.B2 EXP802.B2 EXP803.B2 EXP804.B2 RN903.3 U908.12
/Expansion Slots/BD18: EXP801.B3 EXP802.B3 EXP803.B3 EXP804.B3 RN903.4 U908.13
/Expansion Slots/BD19: EXP801.B4 EXP802.B4 EXP803.B4 EXP804.B4 RN903.5 U908.14
/Expansion Slots/BD20: EXP801.B5 EXP802.B5 EXP803.B5 EXP804.B5 RN903.6 U908.15
/Expansion Slots/BD21: EXP801.B6 EXP802.B6 EXP803.B6 EXP804.B6 RN903.7 U908.16
/Expansion Slots/BD22: EXP801.B7 EXP802.B7 EXP803.B7 EXP804.B7 RN903.8 U908.17
/Expansion Slots/BD23: EXP801.B8 EXP802.B8 EXP803.B8 EXP804.B8 RN903.9 U908.18
/Expansion Slots/BD24: EXP801.B9 EXP802.B9 EXP803.B9 EXP804.B9 RN904.2 U909.11
/Expansion Slots/BD25: EXP801.B10 EXP802.B10 EXP803.B10 EXP804.B10 RN904.3 U909.12
/Expansion Slots/BD26: EXP801.B11 EXP802.B11 EXP803.B11 EXP804.B11 RN904.4 U909.13
/Expansion Slots/BD27: EXP801.B12 EXP802.B12 EXP803.B12 EXP804.B12 RN904.5 U909.14
/Expansion Slots/BD28: EXP801.B13 EXP802.B13 EXP803.B13 EXP804.B13 RN904.6 U909.15
/Expansion Slots/BD29: EXP801.B14 EXP802.B14 EXP803.B14 EXP804.B14 RN904.7 U909.16
/Expansion Slots/BD30: EXP801.B15 EXP802.B15 EXP803.B15 EXP804.B15 RN904.8 U909.17
/Expansion Slots/BD31: EXP801.B16 EXP802.B16 EXP803.B16 EXP804.B16 RN904.9 U909.18
/Expansion Slots/BRD/~{WR}: EXP801.A26 EXP802.A26 EXP803.A26 EXP804.A26 U905.5
/Expansion Slots/BSIZ0: EXP801.B27 EXP802.B27 EXP803.B27 EXP804.B27 U904.14
/Expansion Slots/BSIZ1: EXP801.B28 EXP802.B28 EXP803.B28 EXP804.B28 U904.13
/Expansion Slots/~{BAS}: EXP801.A22 EXP802.A22 EXP803.A22 EXP804.A22 U905.6
/Expansion Slots/~{BDS}: EXP801.B30 EXP802.B30 EXP803.B30 EXP804.B30 U904.15
/Expansion Slots/~{BLDS}: EXP801.A25 EXP802.A25 EXP803.A25 EXP804.A25 U905.3
/Expansion Slots/~{BRESET}: EXP801.C26 EXP802.C26 EXP803.C26 EXP804.C26 U905.2
/Expansion Slots/~{BUDS}: EXP801.C25 EXP802.C25 EXP803.C25 EXP804.C25 U905.4
/Expansion Slots/~{BVMA}: EXP801.C22 EXP802.C22 EXP803.C22 EXP804.C22 U905.7
/Expansion Slots/~{BVPA}: EXP801.A23 EXP802.A23 EXP803.A23 EXP804.A23
/Expansion Slots/~{CS_EXTDATA1}: EXP801.C27 RN701.6 U706.11
/Expansion Slots/~{CS_EXTDATA2}: EXP802.C27 RN701.7 U706.10
/Expansion Slots/~{CS_EXTDATA3}: EXP803.C27 RN701.8 U706.9
/Expansion Slots/~{CS_EXTDATA4}: EXP804.C27 RN701.9 U706.7
/Expansion Slots/~{CS_EXTREG1}: EXP801.A27 RN701.2 U706.15
/Expansion Slots/~{CS_EXTREG2}: EXP802.A27 RN701.3 U706.14
/Expansion Slots/~{CS_EXTREG3}: EXP803.A27 RN701.4 U706.13
/Expansion Slots/~{CS_EXTREG4}: EXP804.A27 RN701.5 U706.12
/Expansion Slots/~{EXT_IRQ1}: EXP801.A28 RN1502.3 U1503.11
/Expansion Slots/~{EXT_IRQ2}: EXP802.A28 RN1501.8 U1501.3 U1502.2
/Expansion Slots/~{EXT_IRQ3}: EXP803.A28 RN1501.7 U1501.4 U1502.4
/Expansion Slots/~{EXT_IRQ4}: EXP804.A28 RN1501.6 U1501.5 U1502.5
/IDE/ACTIVE: J603.39 R601.2 R602.2
/IDE/IRQ: J603.31 Q601.1
/IDE/~{INT_IDE}: Q601.3 R603.2 RN1502.4 U1503.12
/Interrupts/~{INT_DUART}: U501.21 U1503.1
/Interrupts/~{INT_KBD}: R1101.2 U1101.12 U1503.13
/Interrupts/~{INT_MOUSE}: R1102.2 RN1502.6 U1101.10 U1503.2
/Power/PWR_OK: D1407.2 J1401.8
/Power/~{PWR_ON}: J1401.16 U1402.5
/ROM and SRAM/A0: U301.A2 U703.33 U901.2 U1001.84
/ROM and SRAM/A1: RN601.1 U301.C4 U302.25 U401.12 U402.12 U403.12 U404.12 U501.1 U703.32 U901.3 U1001.83 U1102.9 U1201.5 U1301.4
/ROM and SRAM/A2: RN601.3 U301.D13 U302.24 U401.11 U402.11 U403.11 U404.11 U501.3 U901.4 U1001.82 U1201.7 U1301.5
/ROM and SRAM/A3: RN601.5 U301.D12 U302.23 U401.10 U402.10 U403.10 U404.10 U501.5 U901.5 U1001.81 U1201.8 U1301.6
/ROM and SRAM/A4: U301.C13 U302.22 U401.9 U402.9 U403.9 U404.9 U501.6 U901.6 U1001.80 U1201.9 U1301.7
/ROM and SRAM/A5: U301.C12 U401.8 U402.8 U403.8 U404.8 U901.7 U1001.79 U1201.10
/ROM and SRAM/A6: U301.D11 U401.7 U402.7 U403.7 U404.7 U901.8 U1001.77
/ROM and SRAM/A7: U301.B13 U401.6 U402.6 U403.6 U404.6 U601.2 U901.9 U1001.76
/ROM and SRAM/A8: U301.B12 U401.5 U402.5 U403.5 U404.5 U703.31 U902.2 U1001.75
/ROM and SRAM/A9: U301.C11 U401.27 U402.27 U403.27 U404.27 U703.26 U902.3 U1001.74
/ROM and SRAM/A10: U301.A13 U401.26 U402.26 U403.26 U404.26 U703.25 U902.4 U1001.72
/ROM and SRAM/A11: U301.C10 U401.23 U402.23 U403.23 U404.23 U703.24 U902.5 U1001.71
/ROM and SRAM/A12: U301.B11 U401.25 U402.25 U403.25 U404.25 U703.23 U902.6 U1001.70
/ROM and SRAM/A13: U301.A12 U401.4 U402.4 U403.4 U404.4 U703.21 U902.7 U1001.69
/ROM and SRAM/A14: U301.B10 U401.28 U402.28 U403.28 U404.28 U703.20 U902.8 U1001.68
/ROM and SRAM/A15: U301.A11 U401.29 U402.3 U403.29 U404.3 U703.19 U902.9 U1001.67
/ROM and SRAM/A16: U301.B9 U401.3 U402.31 U403.3 U404.31 U703.18 U903.2 U1001.66
/ROM and SRAM/A17: U301.A10 U401.2 U402.2 U403.2 U404.2 U703.17 U903.3 U1001.65
/ROM and SRAM/A18: U301.C8 U401.30 U402.30 U403.30 U404.30 U703.15 U903.4 U1001.63
/ROM and SRAM/A19: U301.A9 U401.1 U402.1 U403.1 U404.1 U703.14 U903.5 U1001.62
/ROM and SRAM/A20: U301.B8 U703.13 U903.6 U1001.61
/ROM and SRAM/A21: U301.A8 U703.12 U903.7 U1001.58
/ROM and SRAM/A22: U301.B7 U703.11 U903.8 U1001.57
/ROM and SRAM/A23: U301.A7 U703.10 U903.9 U1001.56
/ROM and SRAM/A24: U301.A6 U703.7 U904.2 U1001.55
/ROM and SRAM/A25: U301.B6 U703.6 U904.3 U1001.54
/ROM and SRAM/A26: U301.A5 U703.5 U904.4 U1001.53
/ROM and SRAM/A27: U301.B5 U703.4 U1001.52
/ROM and SRAM/A28: U301.A4 U703.3 U1001.51
/ROM and SRAM/A29: U301.B4 U703.2
/ROM and SRAM/A30: U301.A3 U703.1
/ROM and SRAM/D0: JSIMM1001.2 SIMM1001.2 U301.K13 U302.3 U906.8
/ROM and SRAM/D1: JSIMM1001.4 SIMM1001.4 U301.K12 U302.2 U906.9
/ROM and SRAM/D2: JSIMM1001.6 SIMM1001.6 U301.L13 U302.1 U906.6
